# KiCad board GSTrackerOrderFile.kicad_pcb (continued)
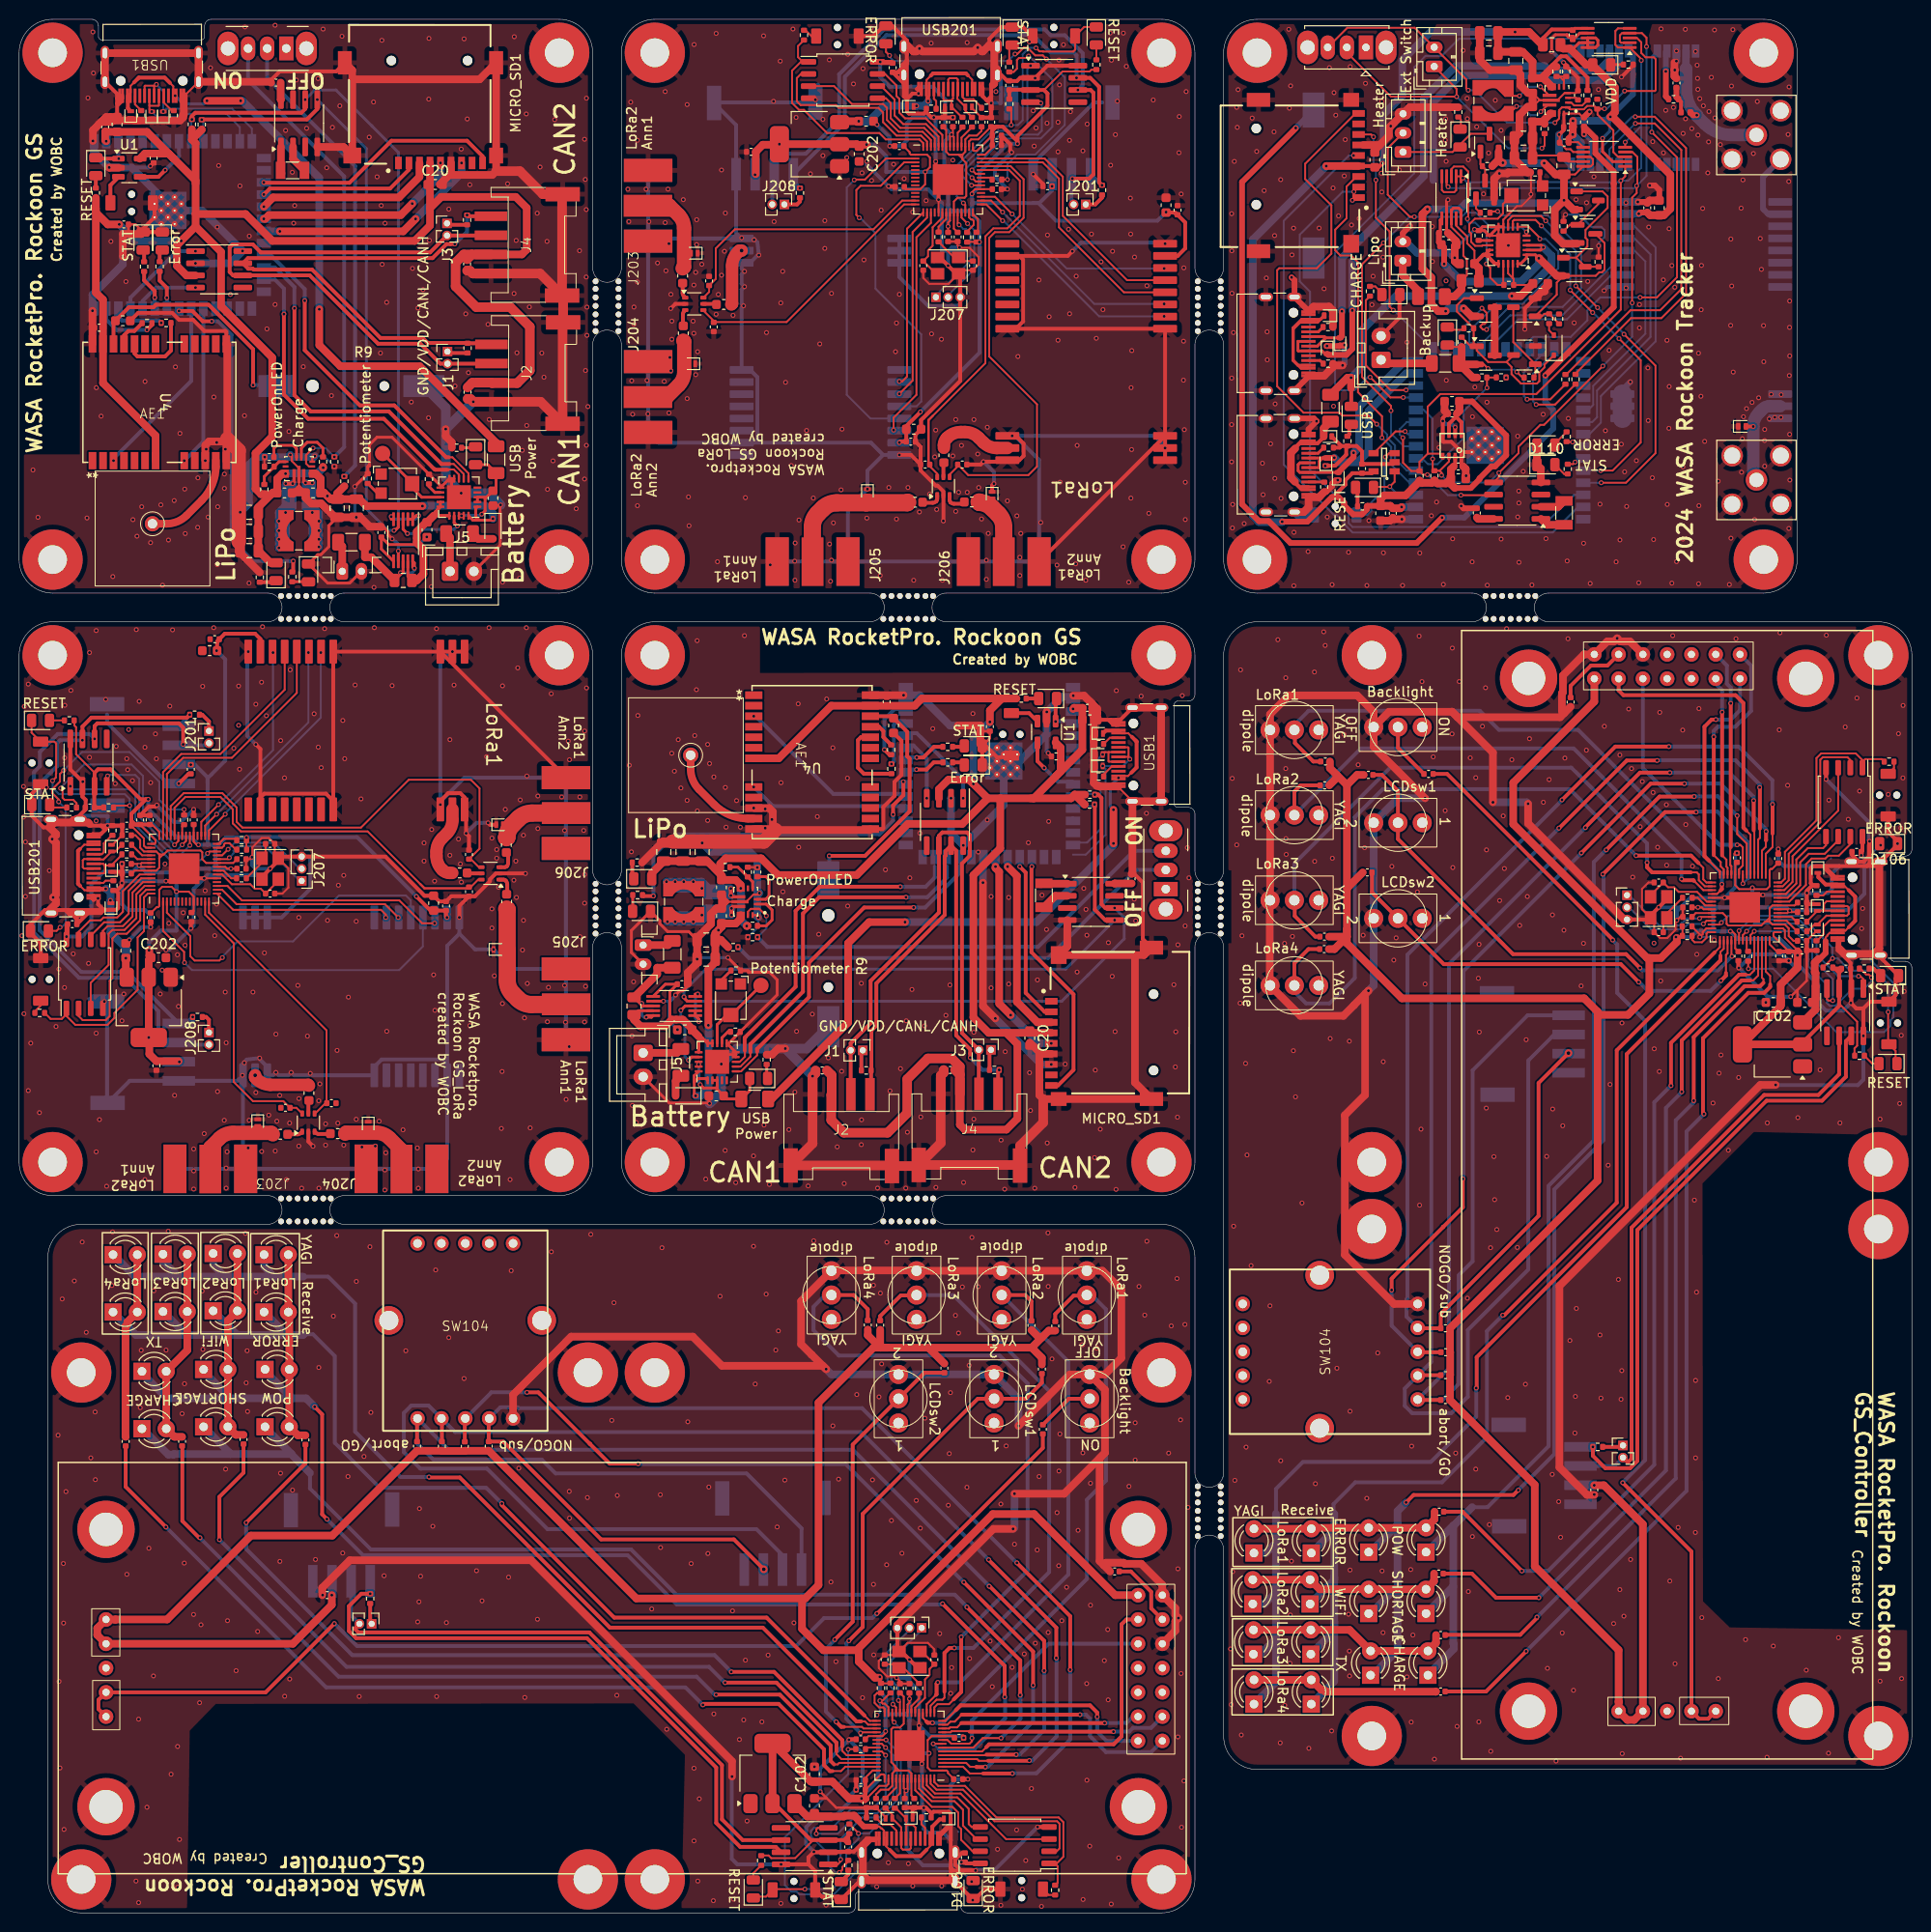
[diagram p0: board, top side]
## Routing (per net, layer and track width the routed paths; a pad name or vN(x,y) marks a point on that pad's centre or on a via; arc(x,y) is an arc through that point) (continued)
  Bottom w0.3: 36.98,186.78 33.15,190.6 30.92,190.6 v1(29.92,189.6) ; v1(45.85,145.03) 45.47,144.65 42.25,144.65 41.82,144.22 v1(40.62,144.22) ; 111.89,98.14 109.08,95.32 70.75,95.32 ; v1(38.92,146) 39.17,145.75 39.67,145.75 ; v1(114.48,115.34) 114.15,115.67 114.15,117.82 v1(115,118.68) 115.02,118.66 ; 39.67,145.75 39.67,184.07 36.86,186.89 ; 39.67,145.75 41.45,145.75 v1(41.79,146.1) ; v1(69.55,95.78) 69.55,96.4 71.83,98.68 109.47,98.68 v1(114.6,103.81) ; 111.77,98.03 115.6,101.85 115.6,104.07 v1(114.6,105.07) ; v1(65.6,93.66) 65.35,93.66 65.12,93.88 v1(65.12,95.1) ; 70.75,95.32 70.75,95.83 v1(71,96.08) ; 70.75,95.32 70.75,93.56 v1(71.1,93.21) ; v1(41.35,140.6) 41.35,140.35 41.12,140.12 v1(39.89,140.12) ; v1(71.25,86.6) 71.12,86.73 71.12,88.69 v1(71.09,88.73) ; v1(166.46,187.8) 166.37,187.71 166.37,186.28 v1(165.64,185.55) ; v1(19.66,189.47) 19.33,189.15 17.18,189.15 v1(16.32,190) 16.34,190.03 ; v1(31.2,189.6) 36.33,184.47 36.33,146.82 38.6,144.55 v1(39.22,144.55) ; v1(69.23,94.38) 69.23,93.18 69.65,92.75 69.65,89.53 v1(70.02,89.16) ; v1(48.39,146.25) 48.27,146.12 46.31,146.12 v1(46.27,146.09)
  Bottom w0.4: v1(143.58,65.12) 143.58,61.4 SW104#2.3 ; 99.68,178.79 99.68,178.24 ; 99.68,178.79 v1(99.68,179.74) 100.48,180.54 100.48,182.04 103.43,184.99 v1(104.44,184.99) ; 99.68,178.79 106.13,178.79 ; 99.68,178.24 99.68,177.64 ; 99.68,178.24 99.38,177.94 ; 9.2,125.3 9.2,124.44 15.56,118.08 v1(16.7,118.08) ; 96.78,182.04 97.18,181.64 97.18,178.64 ; 96.78,182.04 96.78,185.19 v1(97.53,185.94) 96.88,186.59 96.88,189.64 95.58,190.94 91.08,190.94 90.08,191.94 v1(90.08,193.54) ; 96.78,182.04 95.35,182.04 ; v1(32.2,41.18) 35.98,37.4 63.65,37.4 68.8,32.25 96.52,32.25 v1(96.6,32.32) ; v1(179.73,111.68) 177.88,111.68 169.86,119.69 lcd101.6 ; U3#2.38 10.38,166.89 10.77,166.5 14.62,166.5 v1(14.87,166.25) ; 92.75,123.35 93.9,123.35 98.75,118.5 98.75,116.56 v1(98.75,116.55) ; v1(106.08,23.8) 106.08,20.03 101.3,15.25 v1(101.08,15.25) ; SW105#2.2 133.4,109.72 143.42,119.75 162.38,119.75 170.3,111.82 v1(170.3,109.82) ; v1(97.18,176.34) 97.18,177.54 ; 97.18,177.54 97.18,178.64 ; 97.18,177.54 97.58,177.94 ; v1(110.98,20.72) 111.6,20.72 112.02,20.3 112.02,18.47 113.68,16.82 118.43,16.82 lcd101#2.13 ; 95.35,182.04 v1(94.78,182.04) ; 95.35,182.04 90.7,182.04 90.7,183.68 89.48,184.91 88.78,184.91 88.73,184.86 ; v1(158.97,32.95) 172.27,46.25 172.27,84.18 173.92,85.82 v1(173.92,85.85) ; v1(20.15,166.43) 20.8,166.43 22.23,165 22.23,143.6 24.48,141.35 v1(28.67,141.35) ; 92.74,20.78 90.94,20.78 ; 92.74,20.78 93.14,20.38 93.14,20.08 ; 92.74,20.78 93.14,21.18 ; 90.94,20.78 90.64,21.08 ; 90.94,20.78 90.64,20.48 ; v1(161.08,113.43) 147.73,100.07 147.73,57.6 SW104#2.4 144.95,54.82 144.95,53.03 145.73,52.25 149.83,52.25 151.55,53.97 151.55,60.95 157.88,67.28 157.88,89.12 160.6,91.85 J102#3.2 ; v1(92.5,118.27) 92.75,118.27 ; v1(98.58,5.3) 98.25,4.97 94.55,4.97 92.84,6.68 92.84,12.73 v1(92.79,12.78) 93.14,13.13 93.14,15.68 ; v1(64.75,46.97) 64.8,46.93 86.48,46.93 v1(98.83,34.57) ; 93.54,16.68 v1(95.19,16.68) ; 93.54,16.68 93.14,16.28 93.14,15.68 ; 93.54,16.68 93.14,17.08 ; v1(155.2,62.5) 153.55,60.85 153.55,49.72 148.85,45.03 139.77,45.03 137.5,42.75 137.5,41.78 ; v1(163.42,110.82) 151.08,98.47 151.08,76.8 v1(151.02,76.75) ; v1(179.73,114.72) 177.7,116.75 175.25,116.75 v1(175.23,116.72) ; SW104.3 49.4,54.43 v1(53.12,54.43) ; lcd101.13 181.18,130.43 181.18,125.68 179.52,124.03 177.7,124.03 177.27,123.6 v1(177.27,122.97) ; v1(98.55,28.85) 105.5,35.8 105.5,55.35 102.58,58.28 85.75,58.28 83.1,60.93 83.1,63.38 84.33,64.6 SW106#2.2 ; v1(96.1,24.1) 98.48,24.1 109.75,35.38 109.75,57.65 102.8,64.6 SW108.2 ; BT1.1 84.75,108.22 v1(84.75,110.53) ; 111.69,64.54 112.26,64.54 113.69,63.11 113.69,45.19 111.7,43.2 111.7,34.93 96.65,19.88 v1(95.55,19.88) ; 92.75,122.08 92.75,122.07 93.55,122.07 94.95,120.68 v1(94.95,116.55) ; v1(172.8,86.5) 171.05,84.75 171.05,46.85 159.95,35.75 v1(157.2,35.75) ; v1(86.8,28.45) 86.55,28.2 86.55,20.29 v1(88.02,18.81) ; v2(77.9,35.93) 77.88,35.9 J102#2.3 ; v1(182.08,117.68) 182.08,118 179.55,120.53 171.38,120.53 v1(171.35,120.5) ; 177.22,102.94 176.92,102.64 ; 177.22,102.94 177.22,104.74 ; 177.22,102.94 177.52,102.64 ; 176.92,102.64 177.52,102.64 ; 176.92,102.64 176.9,102.62 176.15,102.62 176.09,102.69 175.55,102.69 174.9,102.04 v1(173.32,102.04) ; v1(50.5,42.8) 48.85,44.45 37.73,44.45 33.02,49.15 33.02,58.22 30.75,60.5 29.77,60.5 ; 19.86,109.18 20.16,109.18 20.56,109.58 ; 19.86,109.18 20.96,109.18 ; 19.86,109.18 16.86,109.18 16.46,108.78 ; 93.14,20.08 93.14,17.08 ; 93.14,20.08 93.14,21.18 ; v1(93.14,22.38) 93.14,21.18 ; 177.52,102.64 v1(179.02,102.64) 179.82,101.84 184.18,101.84 185.9,100.12 v1(186.04,100.12) ; U3#2.37 11.65,168.9 16.5,173.75 18.45,173.75 v1(18.45,173.75) ; 20.96,109.18 v1(22.16,109.18) ; 20.96,109.18 20.56,109.58 ; SW2#2.2 25.95,191.85 35.15,182.65 35.15,151.35 v1(34,150.2) ; 181.32,105.54 180.92,105.14 ; 181.32,105.54 181.72,105.14 182.32,105.14 ; 181.32,105.54 v1(181.32,107.19) ; 180.92,105.14 182.32,105.14 ; 180.92,105.14 177.92,105.14 ; v1(24.48,159.75) 26.77,159.75 BT1#2.1 ; J209#2.3 16.72,88.98 v1(16.76,88.98) ; v1(16.73,167.5) U3#2.33 ; v1(108.5,26.65) 108.52,26.62 108.52,18.45 106,15.93 v1(105.67,15.93) ; v1(66.35,106.32) 66.35,110.53 68.6,112.78 90,112.78 91.42,114.2 v1(91.42,114.85) ; v1(179.05,126.47) 179.05,128.12 178.65,128.53 178.65,130.42 lcd101.11 ; v1(169.55,98.8) 169.8,98.55 177.71,98.55 v1(179.19,100.02) ; v1(93.88,119.55) 93.87,119.54 92.75,119.54 ; 16.46,107.35 v1(16.46,106.78) ; 16.46,107.35 16.46,108.78 ; 16.46,107.35 16.46,102.7 14.82,102.7 13.59,101.48 13.59,100.78 13.64,100.73 ; v1(89.73,31.3) 89.25,30.82 84.2,30.82 81.27,27.9 35.35,27.9 33.05,30.2 33.02,30.2 v1(32.98,30.25) ; v1(175.17,84.93) 175.17,84.75 173.3,82.88 173.3,45.43 158.8,30.93 v1(158.77,30.93) ; v1(113.55,19.85) 115.85,19.85 116.52,20.52 lcd101#2.12 ; J104#2.1 v1(36.73,33.37) ; v1(14.19,168.9) U3#2.35 ; 20.56,111.38 20.26,111.68 ; 20.56,111.38 20.86,111.68 ; 20.56,111.38 20.56,109.58 ; 20.26,111.68 20.86,111.68 ; 20.26,111.68 19.71,111.68 ; 19.71,118.13 19.71,118.63 21.56,120.48 21.56,131.08 v1(20.66,131.98) ; 19.71,118.13 19.71,118.73 18.38,120.06 v1(17.96,120.06) ; 19.71,118.13 19.71,111.68 ; 29.73,66.53 32.33,66.53 35.15,63.7 35.15,50.32 39.9,45.57 v1(42.88,45.57) ; 92.75,124.62 91.89,124.62 91.5,124.22 91.5,120.38 v1(91.25,120.13) ; SW105.2 97.73,64.6 107.75,54.57 107.75,35.62 99.83,27.7 v1(97.83,27.7) ; 92.75,115.73 78.85,115.73 v1(76.85,117.72) ; v1(92.08,153.74) U202.10 ; v1(85.48,19.97) 84.4,21.05 84.4,27.6 85.33,28.53 v1(85.33,28.57) ; 98.33,109.4 98.33,108.67 94.78,105.12 v1(93.58,105.12) ; 182.32,105.14 184.87,105.14 v1(185.22,104.79) 185.27,104.84 191.32,104.84 193.02,106.55 193.02,110.25 v1(192.7,110.57) ; J104#2.2 34.73,31.1 J103#2.2 ; v1(17.27,151.85) 19.27,153.84 U3#2.31 ; v1(172.58,121.95) 179.88,121.95 183.4,118.43 183.4,115.93 v1(183.42,115.9) ; 180.88,108.18 180.88,111.93 177.65,115.15 175.42,115.15 v1(175.42,115.1) ; 99.68,177.64 100.46,176.87 v1(100.46,174.71) 100.48,174.69 100.48,163.14 v1(94.28,156.94) ; 99.68,177.64 99.38,177.94 ; v1(110.62,191.88) 110.62,194.22 110.31,194.53 107.9,194.53 106.08,196.34 90.73,196.34 86.38,191.99 86.38,187.18 J209.1 81,181.02 v1(81.68,180.34) ; 177.22,104.74 176.82,105.14 ; 177.22,104.74 177.62,105.14 177.92,105.14 ; J104#3.3 164.76,44.72 v1(164.77,44.71) ; v1(108.42,124.57) 108.47,124.62 110.25,124.62 ; J209.3 76.98,181.78 v1(76.98,181.74) ; J104#3.1 v1(164.63,48.72) ; v1(101.42,36.93) 88.08,50.28 45.6,50.28 SW104.4 42.83,53.05 41.02,53.05 40.25,52.28 40.25,48.18 41.98,46.45 48.95,46.45 55.27,40.12 77.12,40.12 79.85,37.4 J102#2.2 ; 93.14,17.08 93.14,15.68 ; v1(166.02,111.15) 166,111.15 164.73,109.88 164.73,80.75 160,76.03 160,48.8 153.62,42.43 152,42.43 ; v1(71.52,21.75) 69.7,23.57 32.12,23.57 v1(15.35,40.35) ; v1(157.65,27.35) 174.42,44.12 174.42,81.7 v1(176.25,83.53) ; 133.46,123.69 133.46,124.26 134.89,125.69 152.81,125.69 154.8,123.7 163.08,123.7 178.12,108.65 v1(178.12,107.55) ; 131.48,41.72 131.48,44.32 134.3,47.15 147.67,47.15 152.42,51.9 v1(152.42,54.88) ; v1(74.5,25.2) 72.75,26.95 34.85,26.95 23.75,38.05 v1(23.75,40.8) ; v1(99.5,89.43) 100.78,88.14 v1(102.53,88.14) ; 20.86,111.68 21.63,112.46 v1(23.79,112.46) 23.81,112.48 35.36,112.48 v1(41.56,106.28) ; v1(181.45,116.3) 181.45,116.68 178.9,119.22 v1(172.67,119.22) ; 97.58,177.94 99.38,177.94 ; 97.58,177.94 97.18,178.34 97.18,178.64 ; v1(77.25,102.03) 78.27,101 106.58,101 116.62,111.05 SW2.3 ; v1(15.27,182.22) 16.73,183.68 U3#2.8 ; U3#2.32 18,160.18 9.88,152.05 v1(9.88,151.85) ; v1(75.2,101) 76.35,99.85 107.65,99.85 116.85,109.05 SW2.2 ; lcd101#2.6 107.69,28.14 99.67,20.12 v1(99.67,18.28) ; SW108#2.2 133.4,114.8 140.35,121.75 162.62,121.75 173.9,110.47 v1(173.9,108.1) ; v1(156.83,44.2) 160.6,47.97 160.6,75.65 165.75,80.8 165.75,108.53 v1(165.67,108.6) ; v1(46.86,177.53) 46.86,175.78 v1(45.58,174.5) ; 90.64,20.48 v1(90.64,18.98) 89.84,18.18 89.84,13.82 88.12,12.1 v1(88.12,11.96) ; 90.64,20.48 90.64,21.08 ; U3#2.24 26.75,172.06 28.8,170 v1(28.8,167.78) ; v1(13.51,116.44) 13.51,115.43 16.46,112.48 17.96,112.48 v1(18.76,111.68) 19.71,111.68 ; 97.05,109.4 97.05,108.25 95,106.2 v1(92.77,106.2) ; v1(17.16,122.18) 17.26,122.08 19.63,122.08 J201.2 ; v1(169.42,97.32) 169.48,97.32 170.4,96.4 176.95,96.4 v1(178.02,97.47) ; SW2#2.3 23.95,191.62 34,181.57 34,153.27 v1(32.98,152.25) ; v1(72.92,22.82) 72.75,22.82 70.88,24.7 33.42,24.7 18.92,39.2 v1(18.92,39.22) ; v1(90.52,121.62) 90.52,124.81 91.6,125.89 92.75,125.89 ; v1(104.73,22.78) 104.75,22.75 104.75,20.3 v1(102.73,18.28) ; v1(182.75,113.07) 182.75,113.3 177.98,118.07 v1(174.2,118.07) ; v1(178.15,125.55) 178.15,127.85 177.48,128.52 lcd101.12 ; 16.46,108.78 13.31,108.78 v1(12.56,109.53) 11.91,108.88 8.86,108.88 7.56,107.58 7.56,103.08 6.56,102.08 v1(4.96,102.08) ; 176.82,105.14 v1(175.62,105.14) ; 176.82,105.14 177.92,105.14 ; U3#2.25 26.75,170.78 27.7,169.83 v1(27.7,167.18) ; lcd101#2.14 113.75,17.98 112.77,18.95 v1(112.77,20.5) ; v1(29.88,168.57) 29.88,169.78 26.33,173.32 U3#2.23 ; v1(177.5,124.78) 179.05,124.78 180.02,125.75 lcd101.14 ; v1(169.15,110.55) 162.2,117.5 142.65,117.5 139.73,114.57 139.73,97.75 137.08,95.1 134.62,95.1 133.4,96.32 SW106.2 ; 110.22,114.43 110.25,114.46 ; 90.64,21.08 90.62,21.1 90.62,21.85 90.69,21.91 90.69,22.45 90.04,23.1 v1(90.04,24.68) ; J208.2 78.78,181.58 J209.2 79,183.66 79.28,183.94 82.29,183.94 85.78,187.43 85.78,192.24 90.48,196.94 107.28,196.94 107.9,196.33 109.39,196.33 111.26,194.46 111.26,191.12 v1(110.75,190.61) ; SW104#2.2 145.14,62.34 145.14,64.16 145.23,64.24 145.23,100.18 161.4,116.35 v1(161.4,116.38) ; 106.13,178.79 106.63,178.79 108.48,176.94 119.08,176.94 v1(119.98,177.84) ; 106.13,178.79 106.73,178.79 108.06,180.12 v1(108.06,180.54) ; v1(109.95,25.43) 109.95,18.12 106.42,14.6 103.92,14.6 v1(103.9,14.57) ; J202.1 113.23,180.65 v1(113.28,180.65) ; v1(73.85,24.07) 73.83,24.07 72.17,25.72 34.25,25.72 v1(20.95,39.03) ; v1(92.17,107.3) 94.84,107.3 95.78,108.25 95.78,109.4 ; v1(93.9,120.81) 92.75,120.81 ; v1(107.23,119.72) 108.68,118.27 110.25,118.27 ; v1(15.45,168.88) 15.46,168.87 U3#2.34 ; 20.58,185.22 U3#2.11 ; 30.42,46 30.42,44.38 36.8,38 64.02,38 68.75,33.28 97.88,33.28 99.15,32 v1(99.15,31.97) ; v1(104.3,16.55) 104.67,16.55 107.23,19.1 v1(107.23,25.32) ; v1(163.85,113.47) 163.83,113.47 149.58,99.22 149.58,56.95 SW104#2.5 148.95,53.68 150.6,55.32 150.6,66.68 152.05,68.12 152.05,88.1 157.8,93.85 J102#3.1 ; U104#3.22 164.37,185.3 v1(163.7,185.97) ; v1(101.48,34.15) 101.48,34.18 87.23,48.43 44.95,48.43 SW104.5 41.67,49.05 43.33,47.4 54.67,47.4 56.12,45.95 76.1,45.95 81.85,40.2 J102#2.1 ; v1(167.75,44.97) 167.8,45.03 167.8,45.05 170.1,47.35 170.1,93.28 167.17,96.2 167.17,101.25 v1(166.7,101.72) ; v1(7.89,122.75) 7.38,123.26 4.04,123.26 2.17,121.4 2.17,119.9 1.56,119.28 1.56,102.48 6.26,97.78 11.07,97.78 14.56,94.29 14.56,91.28 14.84,91 J209#2.2 16.92,90.78 J208#2.2 ; v1(103.1,22.57) 103.15,22.57 103.15,20.35 99.92,17.12 96.17,17.12 ; J202#2.1 17.85,125.23 v1(17.85,125.28) ; J103.2 166.89,46.72 J104#3.2 ; v1(18.16,93.68) 17.48,93 J209#2.1 11.32,98.38 6.51,98.38 2.16,102.73 2.16,118.08 3.97,119.9 3.97,122.31 4.28,122.62 v1(6.62,122.62) ; J201#2.2 110.08,178.87 110.08,181.24 v1(110.18,181.34) ; v1(114.48,18.95) 116.12,18.95 116.52,19.35 118.42,19.35 lcd101#2.11 ; v1(18.45,169.94) 14.32,169.94 12.92,168.55 12.92,167.75 U3#2.36 ; J102#3.3 162.1,89.88 v2(162.08,89.9) ; v1(44.76,104.08) U202#2.10 ; v1(32.71,33.22) 32.73,33.24 J104#2.3 ; v1(10.42,183.43) 10.38,183.47 U3#2.3 ; v1(104.38,36.6) 104.35,36.6 88.17,52.78 52.24,52.78 52.16,52.86 50.34,52.86 SW104.2 ; v1(13.38,165.52) 10.19,165.52 9.11,166.6 U3#2.39 ; 92.75,117 85.17,117 77.05,125.12 v1(76.85,125.12)
  Bottom w0.6: v1(148.85,145.89) 151.17,145.89 160.47,155.19 160.47,157.18 159.65,158 v1(159.65,160.76) ; v1(172.26,192.55) 172.26,192.75 172.26,192.75 172.26,194.58 U104#3.9 ; v1(166.46,187.8) 168.82,190.16 168.82,194.23 U104#3.7 ; 142.62,187.94 142.63,187.93 142.63,182.96 v1(142.62,182.95) ; v1(133.55,186.63) 135.42,188.5
  Bottom w0.8: v1(136.74,182.65) 129.07,174.97 129.07,146.06 129.7,145.43 132.1,145.43 v1(132.13,145.46) ; v1(42.2,147.1) 42.23,147.13 48.76,147.13 49.57,146.32 v1(49.57,145.78) ; D108.1 12.23,60.43 18.48,60.43 ; v1(149.23,167.48) 149.52,167.77 v1(151.11,167.77) ; v1(156.49,196.67) 147.65,196.67 144.69,193.71 144.69,190.01 142.62,187.94 ; U106.13 145.1,160.97 141.17,157.04 141.17,152.84 140.01,151.68 138.06,151.68 v1(137.59,152.16) ; 150.02,40.5 147.25,37.72 D120.1 ; 150.02,40.5 150.02,34.1 ; 150.02,40.5 150.08,40.5 152,42.43 ; 144.2,34.12 144.2,27.47 141.58,24.85 D110.1 ; 144.2,34.12 141.38,31.3 D114#2.1 ; 144.2,34.12 144.2,40.57 ; 28.58,53.8 25.73,56.65 D118#2.1 ; 28.58,53.8 30.02,53.8 v1(30.91,52.91) ; 28.58,53.8 22.12,53.8 ; 28.5,149.31 28.62,149.43 v1(28.62,149.45) 28.62,146.97 v1(27.17,145.53) ; 73.73,107.13 72.17,107.13 ; 73.73,107.13 74.42,107.13 ; 73.73,107.13 74.42,106.43 ; 28.57,149.43 27.87,148.72 ; 27.87,148.72 27.87,147.18 ; 27.87,148.72 27.87,149.42 ; 27.9,60.43 27.9,60.55 D119#2.1 ; 27.9,60.43 23.12,60.43 ; 27.9,60.43 29.7,60.43 29.77,60.5 ; D116.1 149.98,34.1 150.02,34.1 ; 28.5,47.97 25.73,50.75 D120#2.1 ; 28.5,47.97 28.5,47.93 30.42,46 ; 28.5,47.97 22.1,47.97 ; D115.1 22.83,60.43 23.12,60.43 ; v1(92.67,103.6) 106.42,103.6 114.48,111.65 v1(114.48,111.82) ; 30.67,147.03 v1(30.67,146.43) 30.67,143.53 v1(31.37,142.82) v1(31.37,145.53) ; 30.67,147.03 31.37,146.32 v1(31.37,145.53) ; 30.67,147.03 30.67,148.72 ; 21.5,66.53 20.3,67.72 D113#2.1 ; 21.5,66.53 26.67,66.53 ; 21.5,66.53 16.67,66.53 ; v1(10.48,176.55) 12.2,174.82 v1(16.95,174.82) ; v1(155.22,183) 155.26,182.96 v1(159.53,182.96) ; v1(27.27,175.82) 25.64,175.82 U3#2.21 ; 26.67,66.53 29.73,66.53 ; 26.67,66.53 25.62,67.57 D117.1 ; v1(162.52,185.95) 163.37,185.1 U104#3.23 ; 131.48,28.68 131.48,33.5 ; 131.48,28.68 131.48,24.12 D107.1 ; 131.48,28.68 129.85,27.05 D109#3.1 ; 131.48,33.5 131.48,38.68 ; 131.48,33.5 130.27,32.3 D113.1 ; 73.73,104.33 72.02,104.33 ; 73.73,104.33 v1(74.52,104.33) ; 73.73,104.33 73.83,104.33 v1(74.52,105.03) 71.92,105.03 v1(70.52,103.63) ; 72.02,104.33 v1(71.42,104.33) 68.52,104.33 v1(67.83,103.63) v1(70.52,103.63) ; 72.02,104.33 71.33,103.63 v1(70.52,103.63) ; D109#2.1 15.05,68.15 16.67,66.53 ; 137.58,30.47 137.58,35.12 ; 137.58,30.47 137.58,24.22 D108#2.1 ; 137.58,30.47 137.58,29.5 D111#3.1 ; 137.58,35.12 137.58,39.9 ; 137.58,35.12 137.58,34.82 D115#2.1 ; v1(31.37,145.53) 29.97,146.93 v1(29.97,149.53) 30.67,148.82 30.67,148.72 ; v1(144.62,147) U106.2 ; 150.02,34.1 150.02,28.2 150.08,28.15 150.08,27.6 147.38,24.9 D112#2.1 ; 88.83,187.28 87.89,187.28 v1(87.83,187.34) 88.89,187.34 90.49,188.94 v1(93.88,188.94) 94.68,188.94 95.08,189.34 v1(95.08,189.44) ; v1(31.4,167.68) 31.4,181.43 23.35,189.47 v1(23.17,189.47) ; v1(46.28,182.98) 46.28,181.93 v1(41.48,177.12) ; 16.67,66.53 12.12,66.53 D107#2.1 ; U103#3.10 167.75,177.66 v1(169.43,177.66) ; 18.48,60.43 17.5,60.43 D111#2.1 ; 18.48,60.43 23.12,60.43 ; v1(101.55,124.53) 99.83,122.8 v1(99.83,118.05) ; v1(31.81,151.11) 31.22,150.53 27.91,150.53 v1(27.87,150.49) ; D116#2.1 22.1,48.03 22.1,47.97 ; U106.14 144.94,162.24 140.17,157.47 140.17,153.25 v1(139.6,152.68) ; v1(9.06,107.08) 9.16,107.08 9.56,106.68 v1(9.56,105.88) 9.56,102.49 11.16,100.89 v1(11.16,99.83) 11.22,99.89 11.22,100.83 ; 167.38,194.46 167.38,193.35 165.66,191.63 159.66,191.63 159.18,192.11 150.69,192.11 147.94,189.36 147.94,181.19 ; D110#3.1 12.85,56.43 15.48,53.8 22.12,53.8 ; v1(149.07,172.41) 150.92,170.56 157.12,170.56 158.97,172.41 v1(158.97,173.01) ; 137.58,39.9 137.58,41.7 137.5,41.78 ; 137.58,39.9 137.45,39.9 D119.1 ; U104#3.5 166.37,193.75 165.24,192.63 160.07,192.63 159.59,193.11 150.28,193.11 146.94,189.77 146.94,181.6 138.38,173.04 v1(138.38,167.47) ; v1(159.44,174.15) 160.31,173.28 160.31,172.26 157.11,169.06 v1(156.15,169.06) 144.04,169.06 140.61,165.63 140.61,161.8 v1(139.33,160.52) ; v1(145.09,42.91) 144.2,42.03 144.2,40.57 ; v1(76.11,103.19) 75.52,103.78 75.52,107.09 v1(75.49,107.13) ; v1(103.73,93.88) 103.75,93.88 106.71,90.92 v1(107.98,90.92) ; v1(166.46,187.8) 166.04,187.38 v1(162.55,187.38) ; 131.48,38.68 131.48,41.72 ; 131.48,38.68 130.42,37.62 D117#2.1 ; 22.1,47.97 16.2,47.97 16.15,47.93 15.6,47.93 12.9,50.62 D112.1 ; 144.2,40.57 141.35,37.72 D118.1 ; 30.67,148.72 v1(30.67,149.53) ; v1(27.17,145.53) 27.17,146.43 27.92,147.18 27.92,146.47 v1(27.87,146.43) 27.92,146.38 27.92,143.47 v1(27.17,142.72) v1(27.17,144.53) v1(27.17,145.53) ; v1(161.61,179.07) 161.31,178.77 151.35,178.77 150.71,178.13 147.32,178.13 v1(147.31,178.14) ; v1(44.08,182.98) 44.08,181.71 41.12,178.75 v1(41.12,178.72) ; v1(139.46,167.55) 139.46,172.71 ; v1(70.52,107.83) 71.42,107.83 72.17,107.08 71.48,107.08 v1(71.42,107.13) 71.38,107.08 68.48,107.08 v1(67.73,107.83) v1(69.52,107.83) v1(70.52,107.83) ; v1(70.52,107.83) 71.98,106.38 v1(74.45,106.38) 74.42,106.38 74.3,106.5 ; v1(70.77,85.43) 71.32,85.43 72.13,86.24 72.13,92.78 v1(72.1,92.81) ; U104#3.11 174.37,192.82 ; 22.12,53.8 19.3,56.62 D114.1
  Bottom w1.3: J102.1 179.16,185.9 arc(177.63,186.2) 176.33,187.07 175.55,187.85 arc(175.55,187.86) 175.54,187.88 175.5,187.92 v1(175.5,187.97) 175.5,188 175.16,188.34 arc(174.57,189.44) 174.38,190.68 174.38,192.81 174.37,192.82 ; v2(24.69,87.58) 24.67,87.56 ; U103#3.21 183.1,157.54 arc(182.72,157.47) 182.41,157.26 182,156.84 arc(181.56,156.19) 181.41,155.43 v1(181.41,155.42) 181.41,150.26 181.83,149.84 ; v2(75.58,173.81) 75.56,173.83
  Bottom w2: 181.83,149.84 181.77,149.9
  vias: v1(8.06,114.18) v1(11.46,123.73) v1(13.59,100.66) v1(22.1,169.22) v1(22.96,124.18) v1(27.17,143.62) v1(31.37,144.53) v1(31.37,143.62) v1(68.62,107.83) v1(68.62,103.63) v1(69.52,103.63) v1(83.8,12.68) v1(88.65,184.91) v1(102.18,190.44) v1(133.11,171.01) v1(135.73,155.97) v1(137.5,157.54) v1(139.47,179.07) v1(149.27,170.65) v1(171.02,101.4) v1(185.33,95.8)
